# Altium PCB 11BRANMB10H2_20170927.pcbdoc (part 10 of 11) (continued)
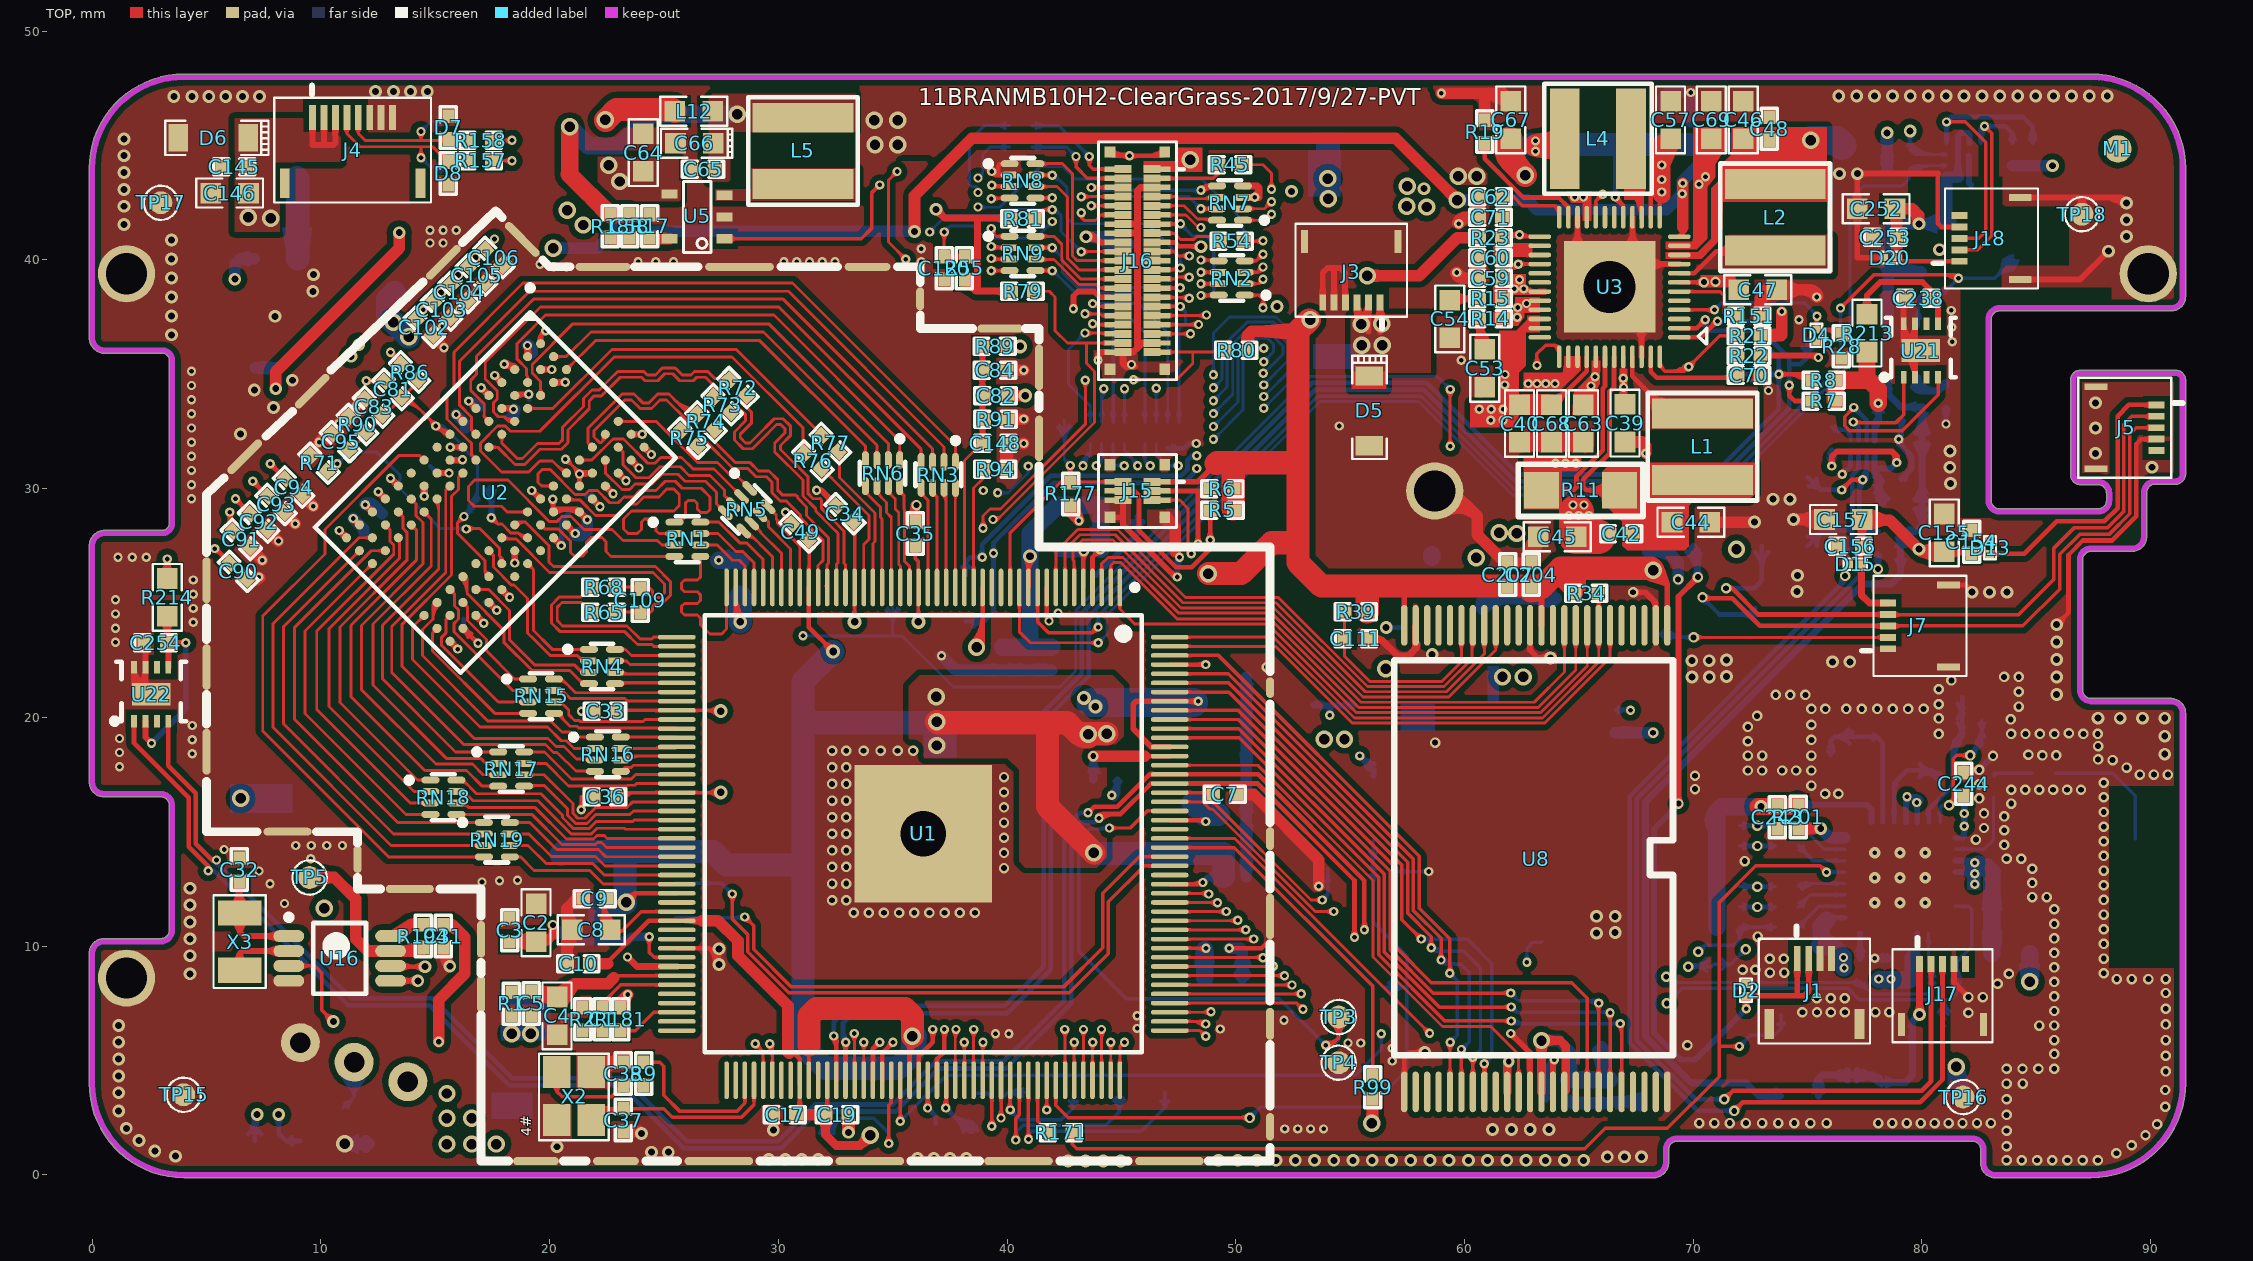
[diagram p0: TOP view]
## Nets (pads, with @x,y where several pads share a name; then routed paths per layer and width w, separated by ;. In a path a pad name is that pad's centre, name@x,y a point inside that pad or via, vN(x,y) a via of type N, cw(c..) or ccw(c..) an arc to the next point about the centre after c; other vN are vias at no path point) (continued)
WL-WAKE-UP: R200.2 R203.1 TP37.1 U1.154 U7.10 | length 56.4
  TOP w0.127: U1.154@47.11,14.708 49.954,14.708 v1(58.474,6.188) ; 58.278,6.38 cw(c58.212,6.135) v1@58.461,6.186 ; 58.281,6.384 ccw(c58.527,6.45) v1@58.476,6.201 ; 58.235,6.427 ccw(c58.474,6.665) 58.474,6.328 cw(c58.474,6.665) 58.235,6.427 ; 58.235,6.427 cw(c57.997,6.188) 58.334,6.188 ccw(c57.997,6.188) 58.235,6.427
  Singal w0.127: v1@58.481,6.181 59.739,6.181 62.22,8.661 62.475,8.661 ; v1(62.729,9.296) 62.475,9.042 62.475,8.661 ; v2(68.821,8.661) 62.475,8.661 ; 62.491,9.058 ccw(c62.252,9.296) 62.589,9.296 cw(c62.252,9.296) 62.491,9.058 ; 62.491,9.058 cw(c62.729,8.819) 62.729,9.156 ccw(c62.729,8.819) 62.491,9.058 ; 68.422,8.661 ccw(c68.422,9.06) 68.704,8.778 cw(c68.422,9.06) 68.422,8.661 ; 68.422,8.661 cw(c68.422,8.263) 68.704,8.545 ccw(c68.422,8.263) 68.422,8.661 ; v1@58.572,6.089 cw(c58.793,5.869) 58.793,6.181 ccw(c58.793,5.869) v1@58.572,6.089 ; v1@58.572,6.287 ccw(c58.829,6.544) 58.829,6.181 cw(c58.829,6.544) v1@58.572,6.287
  BOTTOM w0.127: v1(62.729,9.296) 62.729,9.906 62.983,10.16 63.36,10.16 TP37.1@63.4,10.2 ; v2(68.821,8.661) 69.075,8.407 ; R203.1@77.24,8.372 ccw(c77.531,8.458) R203.1@77.452,8.165 ; U7.10@80.293,10.562 80.293,9.381 80.446,9.228 R200.2@80.446,8.534 80.446,8.103 ; 62.729,9.633 ccw(c63.066,9.633) 62.828,9.395 cw(c63.066,9.633) 62.729,9.633 ; 62.729,9.633 cw(c62.392,9.633) 62.63,9.395 ccw(c62.392,9.633) 62.729,9.633 ; 69.075,8.407 ccw(c68.857,8.189) 68.833,8.497 cw(c68.857,8.189) 69.075,8.407 ; 69.075,8.407 cw(c69.293,8.625) 68.985,8.649 ccw(c69.293,8.625) 69.075,8.407 ; 69.075,8.407 77.271,8.407 R203.1@77.304,8.441 77.846,7.899 80.243,7.899 80.446,8.103 ; 80.293,10.139 ccw(c80.145,10.139) 80.25,10.244 cw(c80.145,10.139) 80.293,10.139 ; 80.293,10.139 cw(c80.441,10.139) 80.336,10.244 ccw(c80.441,10.139) 80.293,10.139 ; 80.446,8.103 ccw(c80.039,8.103) 80.318,8.399 cw(c80.039,8.103) 80.446,8.103 ; 80.446,8.103 cw(c80.853,8.103) 80.574,8.399 ccw(c80.853,8.103) 80.446,8.103 ; 80.446,8.985 ccw(c80.896,8.985) 80.578,8.666 cw(c80.896,8.985) 80.446,8.985 ; 80.446,8.985 cw(c79.996,8.985) 80.314,8.666 ccw(c79.996,8.985) 80.446,8.985 ; 76.814,8.407 cw(c76.814,7.9) 77.173,8.259 ccw(c76.814,7.9) 76.814,8.407 ; 76.894,8.407 ccw(c76.894,8.801) 77.173,8.523 cw(c76.894,8.801) 76.894,8.407 ; R203.1@77.304,8.204 cw(c77.304,7.633) 77.708,8.037 ccw(c77.304,7.633) R203.1@77.304,8.204 ; R203.1@77.491,8.391 ccw(c77.82,8.391) 77.587,8.158 cw(c77.82,8.391) R203.1@77.491,8.391
X24MI: C37.2 U1.92 X2.1 | length 21.9
  TOP w0.152: X2.1@21.817,2.395 21.817,2.713 21.999,2.895 C37.2@23.214,2.895 ; 22.716,2.824 cw(c22.816,2.45) C37.2@23.091,2.723 ; 22.797,2.784 cw(c22.883,2.464) C37.2@23.1,2.714 ; 22.909,2.814 ccw(c22.843,3.06) C37.2@23.063,2.932 ; U1.92@28.935,4.133 28.935,3.062 28.388,2.515 25.361,2.515 24.981,2.895 C37.2@23.214,2.895 ; 22.794,2.895 ccw(c22.794,3.315) 23.091,3.018 cw(c22.794,3.315) 22.794,2.895 ; 22.794,2.895 cw(c22.794,2.476) 23.091,2.773 ccw(c22.794,2.476) 22.794,2.895 ; C37.2@23.214,2.895 ccw(c23.214,1.901) 22.299,2.29 cw(c23.214,1.901) C37.2@23.214,2.895 ; 23.633,2.895 ccw(c23.633,2.476) 23.337,2.773 cw(c23.633,2.476) 23.633,2.895 ; 23.633,2.895 cw(c23.633,3.315) 23.337,3.018 ccw(c23.633,3.315) 23.633,2.895 ; X2.1@21.738,2.529 cw(c22.292,2.293) 22.292,2.895 ccw(c22.292,2.293) X2.1@21.738,2.529 ; X2.1@21.878,2.469 cw(c22.522,2.195) 22.522,2.895 ccw(c22.522,2.195) X2.1@21.878,2.469 ; X2.1@22.018,2.41 cw(c22.753,2.097) 22.753,2.895 ccw(c22.753,2.097) X2.1@22.018,2.41 ; X2.1@22.159,2.35 cw(c22.983,1.999) 22.983,2.895 ccw(c22.983,1.999) X2.1@22.159,2.35
X24MO: R9.1 U1.91 | length 8.5
  TOP w0.152: R9.1@24.117,4.927 24.81,4.927 24.992,4.745 24.992,3.475 25.699,2.769 28.181,2.769 28.535,3.123 U1.91@28.535,4.133 ; 24.536,4.927 ccw(c24.536,4.508) 24.24,4.805 cw(c24.536,4.508) 24.536,4.927 ; 24.536,4.927 cw(c24.536,5.347) 24.24,5.05 ccw(c24.536,5.347) 24.536,4.927
XTAL_IN: C220.1 U7.28 X1.1 | length 12.9
  BOTTOM w0.203: U7.28@78.793,15.412 78.793,17.119 79.36,17.686 79.4,17.686 80.442,17.686 ; X1.1@79.889,17.39 cw(c80.211,17.132) 80.318,17.531 cw(c80.446,18.01) X1.1@79.974,17.857 ; 80.15,17.6 ccw(c80.495,18.198) C220.1@80.723,17.546 ; 80.415,17.673 cw(c80.195,17.293) C220.1@80.626,17.378 ; C220.1@80.772,17.356 80.442,17.686 ; 80.442,17.686 ccw(c80.442,17.025) 79.905,17.411 cw(c80.442,17.025) 80.442,17.686 ; 80.442,17.686 cw(c80.442,18.307) 79.92,17.971 ccw(c80.442,18.307) 80.442,17.686 ; 80.442,17.686 ccw(c80.76,18.004) 80.769,17.555 cw(c80.76,18.004) 80.442,17.686 ; X1.1@79.738,17.686 cw(c79.738,16.372) 80.667,17.301 ccw(c79.738,16.372) X1.1@79.738,17.686 ; 80.228,17.686 cw(c80.228,16.862) 80.811,17.445 ccw(c80.228,16.862) 80.228,17.686 ; C220.1@80.554,17.574 cw(c80.386,17.406) 80.624,17.406 ccw(c80.386,17.406) C220.1@80.554,17.574
XTAL_OUT: C221.1 U7.27 X1.3 | length 12.3
  BOTTOM w0.203: C221.1@76.022,18.356 76.022,18.984 76.186,19.147 ; U7.27@78.293,15.412 78.293,18.881 78.027,19.147 ; 76.022,18.764 ccw(c76.38,18.764) 76.127,18.511 cw(c76.38,18.764) 76.022,18.764 ; 76.022,18.764 cw(c75.664,18.764) 75.917,18.511 ccw(c75.664,18.764) 76.022,18.764 ; 76.186,19.147 ccw(c76.186,19.856) 76.781,19.472 cw(c76.186,19.856) 76.186,19.147 ; 76.186,19.147 cw(c76.186,18.263) 76.835,18.864 ccw(c76.186,18.263) 76.186,19.147 ; 76.186,19.147 77.3,19.147 78.027,19.147 ; 78.027,19.147 ccw(c78.027,18.981) 77.87,19.036 cw(c78.027,18.981) 78.027,19.147 ; 78.027,19.147 cw(c78.027,19.28) 77.895,19.264 ccw(c78.027,19.28) 78.027,19.147 ; 76.558,19.147 ccw(c76.558,19.616) 76.952,19.362 cw(c76.558,19.616) 76.558,19.147
pads on no net: J4.9 J4.10 J5.5 J6.3 J6.4 J17.5 J18.5 M1.4 M1.5 M2.4 M2.5 U1.14 U1.15 U1.74 U1.77 U1.78 U1.84 U1.85 U1.87 U1.88 U1.89 U1.90 U1.95 U1.96 U1.99 U1.150 U1.155 U2.J1 U2.J9 U2.L1 U2.L9 U2.M7 U3.3 U3.5 U3.18 U3.19 U3.29 U3.30 U7.5 U7.6 U7.8 U7.9 U7.12 U7.13 U7.14 U7.15 U7.25 U8.3 U8.4 U8.5 U8.11 U8.14 U8.15 U8.20 U8.21 U8.22 U8.26 U8.27 U8.28 U8.33 U8.40 U8.45 U8.46 U8.47 U9.2 U21.3 U21.6 U22.3 U22.6

## Polygon pours and split planes (outlines as drawn)
GND on TOP "Bottom-No Net" (solid, remove dead copper, pour order 61): -3.15,49.86 92.1,49.86 92.507,49.454 92.507,1.88 89.611,-1.016 1.295,-1.016 -1.753,2.032 -2.87,3.15 -2.87,50.14
CORE-VDD on TOP "Bottom-No Net" (solid, remove dead copper, pour order 60): 36.179,21.844 44.612,21.844 44.815,21.641 45.094,21.361 45.094,19.406 45.094,19.177 44.688,18.771 44.358,18.44 44.358,15.545 44.358,13.868 43.926,13.437 40.802,13.437 40.522,13.716 40.522,17.704 40.014,18.212 36.281,18.212 35.696,18.796 35.696,21.361 36.154,21.819
IPSOUT on TOP "TOP-No Net 1" (solid, remove dead copper, pour order 108): 22.111,44.52 22.111,42.564 25.641,42.564 25.768,42.437 25.743,42.462 25.743,44.52
N502826 on TOP "TOP-No Net 1" (solid, remove dead copper, pour order 100): 33.363,45.612 27.902,45.612 27.902,43.478 27.826,43.402 27.8,43.427 26.962,43.427 26.962,47.085 27.038,47.161 27.14,47.263 33.363,47.263
N502982 on TOP "TOP-No Net 1" (solid, remove dead copper, pour order 99): 33.439,43.986 33.464,43.961 33.464,42.589 27.241,42.589 27.241,43.097 28.816,43.097 28.816,44.012 33.363,44.012 33.388,43.986
N497618 on TOP "TOP-No Net 1" (solid, remove dead copper, pour order 96): 67.343,35.263 67.365,35.241 68.143,35.241 68.502,34.882 68.629,35.009 72.82,35.009 72.82,32.596 72.695,32.471 67.552,32.471 67.552,34.059 67.613,34.12 67.486,34.247 67.359,34.247
N496496 on TOP "Bottom Layer-No Net" (solid, remove dead copper, pour order 95): 69.899,39.454 69.899,40.216 69.902,40.219 70.283,40.219 71.042,40.978 71.169,41.105 71.423,41.105 75.82,41.105 75.884,41.169 76.074,40.978 76.074,39.4 71.35,39.4 71.296,39.454 70.661,39.454 69.934,39.454 69.899,39.419
DCIN-5V on TOP "TOP-No Net 1" (solid, remove dead copper, pour order 104): 55.029,37.625 55.029,35.107 55.054,35.077 58.534,35.077 58.534,37.712 58.458,37.625 55.029,37.625
GND on TOP "GRD" (solid, pour order 109): 86.118,35.331 86.22,35.23 91.782,35.23 91.782,30.226 91.63,30.074 91.528,29.972 86.22,29.972
IPSOUT on TOP "Bottom Layer-No Net" (solid, remove dead copper, pour order 82): 33.566,48.743 33.566,43.383 33.566,42.977 33.786,42.756 61.636,42.756 61.636,49.323 61.175,49.784
USBVBUS on TOP "Bottom Layer-No Net" (solid, remove dead copper, pour order 89): 8.089,41.224 6.235,41.224 6.235,46.203 7.531,46.203 9.232,46.203 9.232,45.745 9.232,45.593 10.858,45.593 10.858,43.942 10.706,44.094 7.912,44.094 8.191,44.094 8.191,42.316 8.191,41.224
N17550467 on BOTTOM "Bottom Layer-No Net" (solid, pour order 94): 57.594,15.261 64.275,15.261 64.452,15.261 64.452,13.61 64.427,13.635 62.116,13.635 57.594,13.635
N17550444 on BOTTOM "Bottom Layer-No Net" (solid, pour order 93): 57.569,16.709 65.9,16.709 65.9,19.528 65.9,19.757 65.037,19.757 63.741,19.757 63.741,19.376 63.741,18.055 63.309,18.055 58.966,18.055 58.966,18.309 58.966,18.385 58.331,18.385 57.569,18.385
IPSOUT on BOTTOM "Bottom Layer-No Net" (solid, pour order 92): 59.22,20.697 61.481,20.697 61.481,22.043 61.481,22.246 62.852,22.246 63.665,22.246 63.665,21.459 63.665,19.909 63.69,19.884 63.69,19.147 63.69,18.385 63.563,18.258 59.22,18.258
N499376 on BOTTOM "Bottom Layer-No Net" (solid, pour order 91): 6.794,38.096 7.379,38.096 7.379,36.775 8.293,36.775 8.471,36.775 8.471,36.216 8.471,35.81 7.506,35.81 5.778,35.81 5.778,36.775 6.82,36.775 6.82,37.791 6.82,38.096
BAT on BOTTOM "Bottom Layer-No Net" (solid, remove dead copper, pour order 90): 12.825,5.113 15.969,5.113 18.134,2.948 18.134,2.573 18.134,0.617 18.108,0.592 13.943,0.592 12.851,0.592 12.825,0.617
CORE-VDD on BOTTOM "Bottom Layer-No Net" (solid, remove dead copper, pour order 102): 43.37,14.395 43.37,12.693 43.345,12.668 43.345,12.541 49.822,12.541 49.619,12.744 49.619,14.852 43.37,14.852
CPU-VDD on BOTTOM "Bottom Layer-No Net" (solid, remove dead copper, pour order 101): 43.599,21.329 44.132,21.329 44.132,21.837 44.158,21.863 45.377,23.082 45.86,23.565 49.873,23.565 49.873,15.081 49.847,15.056 49.695,15.208 46.749,15.208 46.749,19.856 46.647,19.958 43.624,19.958
N499368 on BOTTOM "TOP-No Net 1" (solid, remove dead copper, pour order 97): 14.11,46.018 14.084,45.993 14.084,39.744 10.02,39.744 9.995,39.719 10.02,39.744 10.02,40.913 11.214,40.913 11.239,40.938 11.239,45.993
DCIN-5V on BOTTOM "TOP-No Net 1" (solid, remove dead copper, pour order 105): 62.751,38.195 62.7,38.139 55.029,38.139 55.029,35.105 55.004,35.077 55.029,35.105 62.09,35.105 62.09,36.775 62.116,36.803 62.141,36.775 62.751,36.775
IPSOUT on BOTTOM "TOP-No Net 1" (solid, remove dead copper, pour order 106): 12.027,36.646 12.001,36.62 9.588,36.62 9.588,38.093 8.674,38.093 8.674,35.452 8.75,35.376 12.027,35.376
GND on BOTTOM "GRD" (solid, remove dead copper, pour order 110): 86.042,35.306 91.681,35.306 91.732,35.357 91.528,35.154 91.528,30.226 85.89,30.226 85.864,30.201
VLED- on BOTTOM "Bottom Layer-No Net" (solid, remove dead copper, pour order 77): 59.042,24.358 59.067,24.333 61.125,24.333 61.125,27.407 61.15,27.432 61.099,27.382 59.956,27.382 59.829,27.382 59.829,25.176 59.829,24.879 59.27,24.879 59.042,24.879
N17800564 on BOTTOM "Bottom Layer-No Net" (solid, remove dead copper, pour order 78): 57.746,23.419 57.746,23.622 56.095,23.622 56.07,23.647 56.095,23.673 56.095,24.46 51.244,24.46 51.244,22.073 51.879,22.073 51.879,21.082 53.276,21.082 53.301,21.107 53.327,21.133 53.327,22.809 57.696,22.809 57.746,22.86
N17800108 on BOTTOM "Bottom Layer-No Net" (solid, remove dead copper, pour order 80): 57.442,27.788 51.244,27.788 51.244,26.594 51.244,25.933 51.269,25.959 56.019,25.959 56.019,24.435 56.045,24.46 57.772,24.46 57.772,24.816 57.746,24.79 57.442,24.79 57.442,27.788
IPSOUT on BOTTOM "Bottom Layer-No Net" (solid, remove dead copper, pour order 83): 58.1,26.139 58.135,26.167 60.176,26.167 60.176,27.689 64.115,27.689 64.186,27.745 64.186,28.88 58.135,28.88 58.1,28.852 57.924,28.852 57.924,26.111
VLED+ on BOTTOM "Bottom Layer-No Net" (solid, remove dead copper, pour order 85): 53.53,22.657 58,22.657 58,21.647 58,21.311 54.216,21.311 53.581,21.311 53.53,21.367
HPVCC on BOTTOM "Bottom Layer-No Net" (solid, remove dead copper, pour order 81): 47.561,44.907 47.589,44.933 53.001,44.933 53.001,43.555 53.022,43.536 50.393,43.536 47.564,43.536 47.561,43.538
VCC-5V on BOTTOM "Bottom Layer-No Net" (solid, remove dead copper, pour order 84): 57.34,16.739 57.34,19.355 57.34,21.031 57.315,21.057 55.664,21.057 55.664,19.863 53.809,19.863 52.895,19.863 52.895,18.466 52.895,16.967 54.775,16.967 55.156,16.967 55.156,18.009 55.156,18.593 55.918,18.593 56.502,18.593 56.502,17.983 56.502,16.739
CORE-VDD on BOTTOM "Bottom Layer-No Net" (solid, remove dead copper, pour order 87): 58.788,41.91 54.825,41.91 54.825,46.965 58.661,46.965 68.135,46.965 68.135,45.974 68.135,44.171 68.084,44.221 61.506,44.221 58.788,44.221
USBVBUS on BOTTOM "Bottom Layer-No Net" (solid, remove dead copper, pour order 88): 53.149,44.069 55.257,44.069 55.257,41.453 55.283,41.478 56.299,41.478 61.76,41.478 62.547,40.691 62.953,40.284 62.953,38.329 53.251,38.329 53.149,38.43
CORE-VDD on BOTTOM "Bottom Layer-No Net" (solid, remove dead copper, pour order 103): 36.36,6.572 36.36,4.642 35.496,3.778 35.268,3.549 30.62,3.549 30.264,3.549 30.213,3.499 30.162,3.549 30.162,17.799 30.162,23.463 30.188,23.488 30.213,23.514 35.725,23.514 37.401,23.514 37.655,23.26 37.782,23.133 37.782,19.145 37.782,18.916 37.732,18.866 37.706,18.891 31.813,18.891 31.813,6.572 31.839,6.547
VCC-5V on BOTTOM "Bottom-No Net" (solid, remove dead copper, pour order 115): 17.673,8.286 20.162,8.286 20.244,8.204 20.244,6.248 20.371,6.121 27.026,6.121 27.178,5.969 27.178,4.699 27.076,4.597 18.567,4.597 17.678,5.486 17.678,8.28 17.673,8.286
GND on BOTTOM "Bottom-No Net" (solid, remove dead copper, pour order 119): -2.032,49.022 91.973,49.022 92.304,48.692 92.304,1.397 90.322,-0.584 -0.584,-0.584 -2.134,0.965
GND on POWER "Bottom-No Net" (solid, remove dead copper, pour order 65): -1.981,50.47 90.653,50.47 92.71,48.412 92.71,1.321 89.814,-1.575 -2.438,-1.575 -3.48,-0.533
BAT on POWER "Bottom Layer-No Net" (solid, remove dead copper, pour order 57): 14.926,0.914 18.127,0.914 18.127,1.575 18.889,1.575 31.335,1.575 32.884,3.124 32.884,5.969 43.4,5.969 47.87,10.439 48.53,11.1 48.53,13.563 48.53,14.833 48.988,15.291 49.089,15.392 52.239,15.392 52.29,15.392 53.306,14.376 57.446,10.236 59.478,10.236 63.364,10.236 65.015,11.887 66.615,13.487 66.615,15.646 66.615,31.496 66.615,31.902 66.615,32.131 65.675,33.071 64.329,34.417 62.602,34.417 62.602,33.452 63.262,32.791 63.77,32.283 63.77,29.921 63.77,15.214 62.932,14.376 62.119,13.563 58.487,13.563 58.436,13.563 55.668,16.332 53.814,18.186 47.692,18.186 47.54,18.186 45.508,16.154 45.025,15.672 45.025,12.319 45.025,12.166 44.162,11.303 41.876,9.017 39.107,9.017 31.385,9.017 29.734,7.366 29.506,7.137 29.506,5.004 29.15,4.648 28.998,4.496 14.926,4.496
DRAM-VCC on POWER "TOP-No Net 1" (solid, remove dead copper, pour order 107): 16.116,41.218 17.945,41.218 19.926,39.236 20.307,39.236 40.424,39.236 41.008,38.652 41.389,38.271 41.389,32.632 41.211,32.632 37.732,29.153 37.605,29.026 37.605,23.692 28.359,23.692 28.334,23.666 28.257,23.59 28.257,16.199 28.257,14.802 28.232,14.776 28.181,14.725 4.966,14.725 4.966,29.635 16.573,41.243
VCC-WIFI-3V3 on POWER "Bottom Layer-No Net" (solid, remove dead copper, pour order 86): 71.666,16.561 71.64,16.535 71.64,11.709 71.64,7.823 71.666,7.849 78.27,7.849 83.731,7.849 83.756,7.823 82.969,8.611 82.969,17.043 71.716,17.043 71.666,16.993
IPSOUT on POWER "GRD" (solid, remove dead copper, pour order 111): 59.96,44.399 60.069,44.501 71.205,44.501 71.205,38.608 71.259,38.557 71.232,38.532 71.232,34.442 71.232,33.884 71.178,33.833 71.15,33.807 59.988,33.807
BAT on POWER "Bottom Layer-No Net" (solid, remove dead copper, pour order 58): 29.506,6.858 29.506,7.772 30.75,9.017 31.081,9.347 33.036,9.347 41.368,9.347 43.247,11.227 44.39,12.37 44.39,15.011 44.39,15.951 44.873,16.434 45.025,16.586 46.93,16.586 46.93,11.735 44.543,9.347 43.196,8.001 31.792,8.001 31.792,7.925 30.75,6.883
BAT on POWER "Bottom Layer-No Net" (solid, remove dead copper, pour order 59): 29.506,7.747 26.051,4.292 25.95,4.292 25.95,3.632 26.051,3.53 26.28,3.759 30.446,3.759 30.446,7.848
BAT on POWER "Bottom Layer-No Net" (solid, remove dead copper, pour order 63): 53.814,18.186 54.347,18.186 54.398,18.186 54.88,17.704 58.513,14.071 59.579,14.071 61.815,14.071 62.983,15.24 63.262,15.519 63.262,17.754 63.262,20.294 63.288,20.32 63.313,20.345 63.72,20.345 64.71,20.345 64.761,20.294 64.659,20.193 64.659,13.995 64.659,13.944 63.288,12.573 63.11,12.751 57.039,12.751 57.039,14.706 53.61,18.135
BAT on POWER "Bottom Layer-No Net" (solid, pour order 66): 66.615,13.487 66.869,13.741 66.869,14.478 66.869,32.105 66.869,32.131 66.615,32.131 66.437,32.131 66.437,13.436 66.412,13.411
CORE-VDD on POWER "Bottom Layer-No Net" (solid, remove dead copper, pour order 68): 36.364,21.59 39.564,21.59 39.564,19.913 39.59,19.888 42.612,19.888 44.619,19.888 45.025,20.294 45.762,21.031 45.762,24.358 45.762,24.511 45.711,24.562 47.921,24.562 51.578,24.562 53.814,26.797 53.839,26.822 53.839,31.089 53.839,31.521 56.303,33.985 57.42,35.103 57.42,41.656 57.42,43.434 59.046,43.434 59.046,32.867 57.801,31.623 56.658,30.48 56.658,25.654 56.658,25.501 54.88,23.723 53.687,22.53 49.953,22.53 48.861,22.53 48.861,21.691 47.489,20.32 45.406,18.237 36.338,18.237
CORE-VDD on POWER "Bottom Layer-No Net" (solid, remove dead copper, pour order 69): 57.065,34.722 57.065,43.332 57.344,43.612 57.37,43.637 58.919,43.637 59.021,43.637 59.046,43.662
CORE-VDD on POWER "Bottom Layer-No Net" (solid, remove dead copper, pour order 71): 57.065,43.058 57.065,43.637 58.436,43.637 58.462,43.612 58.462,41.935 57.065,41.935
CORE-VDD on POWER "Bottom Layer-No Net" (solid, remove dead copper, pour order 72): 59.021,42.189 59.402,42.189 59.402,32.944 58.055,31.597 56.862,30.404 56.862,28.194 56.862,25.197 55.236,23.571 53.89,22.225 49.521,22.225 49.496,22.225 48.048,20.777 47.21,19.939 47.006,19.939 47.006,22.911 47.235,23.139 47.692,23.596 52.01,23.596 53.229,23.596 55.388,25.755 56.608,26.975 56.608,32.207 56.608,32.232 58.538,34.163 58.589,34.214 58.589,41.935
CORE-VDD on POWER "Bottom Layer-No Net" (solid, remove dead copper, pour order 73): 47.819,22.885 53.941,22.885 54.068,22.758 54.118,22.707 54.322,22.707 54.322,22.657 53.89,22.225 53.509,21.844 50.689,21.844 50.258,21.844 48.784,20.371 48.378,19.964 47.184,19.964 47.184,22.555 47.311,22.682 47.514,22.885 53.966,22.885
CPU-VDD on POWER "Bottom Layer-No Net" (solid, remove dead copper, pour order 74): 75.581,44.551 64.634,44.551 63.872,45.313 63.796,45.39 62.17,45.39 57.598,45.39 56.785,44.577 56.735,44.526 56.735,43.764 56.735,40.995 56.1,40.36 55.236,39.497 55.236,35.814 55.236,33.604 54.449,32.817 53.382,31.75 53.382,29.667 53.382,28.143 50.258,25.019 50.207,24.968 44.289,24.968 44.162,24.968 44.162,21.92 44.162,20.244 43.908,19.99 43.882,20.015 40.682,20.015 40.352,20.015 39.971,20.015 39.971,21.971 37.913,21.971 37.913,28.499 40.428,31.013 41.876,32.461 47.184,32.461 49.572,32.461 52.696,35.585 52.798,35.687 52.798,41.427 52.798,41.884 54.779,43.866 54.982,44.069 54.982,46.863 54.982,47.142 60.621,47.142 75.683,47.142 75.683,46.279 75.683,47.041 75.785,47.142 75.81,47.117 75.81,45.085 75.81,44.551
CPU-VDD on POWER "Bottom Layer-No Net" (solid, pour order 75): 52.798,41.529 52.163,41.529 52.163,39.065 52.163,36.296 50.486,34.62 49.597,33.731 41.952,33.731 41.926,33.731 41.901,33.706 41.901,31.851 51.045,31.851 51.578,32.385 53.534,34.341 53.534,35.509 53.534,41.249 53.61,41.326
CORE-VDD on POWER "Bottom Layer-No Net" (solid, pour order 76): 20.895,10.744 31.792,10.744 31.817,10.769 31.817,15.951 31.817,18.948 31.792,18.974 38.116,18.974 38.116,21.615 38.066,21.564 36.313,21.564 36.313,23.165 36.338,23.19 36.338,23.419 28.845,23.419 28.82,23.444 28.82,22.58 28.82,14.3 28.82,14.021 20.921,14.021
HPVCC on POWER "Bottom-No Net" (solid, remove dead copper, pour order 112): 78.041,46.482 78.092,46.431 86.194,46.431 86.194,43.106 86.2,43.1 81.006,43.1 81,43.094 81.013,43.081 81.013,41 78.087,41 78.041,41.046
GND on GND1 "Bottom-No Net" (solid, remove dead copper, pour order 62): -2.057,50.394 -1.372,49.708 93.32,49.708 92.837,49.225 92.837,-0.94 90.145,-3.632 -2.235,-3.632
GND on Singal "Bottom-No Net" (solid, remove dead copper, pour order 64): -1.422,49.784 91.338,49.784 91.897,49.225 91.897,-0.889 90.856,-1.93 0.203,-1.93 -1.88,0.152
GND on GND2 "Bottom-No Net" (solid, remove dead copper, pour order 67): -1.88,49.784 92.456,49.784 93.955,48.285 93.955,1.981 91.084,-0.889 0.305,-0.889 -1.88,1.295

## Keep-outs
Keep-Out Layer:
  lines w0.254: 0.499,16.656 3,16.656 cw(c2.987,16.142) 3.5,16.129 ; 0.499,16.66 cw(c0.499,17.158) 0,17.158 0,27.55 cw(c0.55,27.5) 0.6,28.05 3.1,28.05 ccw(c3.05,28.5) 3.5,28.55 3.5,35.55 ccw(c3.05,35.6) 3.1,36.05 0.6,36.05 cw(c0.55,36.6) 0,36.55 0,44 cw(c4,44) 4,48 87.4,48 cw(c87.4,44) 91.4,44 91.4,38.4 cw(c90.9,38.4) 90.9,37.9 83.4,37.9 ccw(c83.4,37.4) 82.9,37.4 82.9,29.49 ccw(c83.4,29.49) 83.4,28.99 87.7,28.99 ccw(c87.7,29.49) 88.2,29.49 88.2,29.8 ccw(c87.699,29.801) 87.7,30.302 86.975,30.302 ; 3.5,16.156 3.5,10.7 cw(c3,10.7) 3,10.2 0.527,10.2 ccw(c0.513,9.687) 0,9.7 0,4 ccw(c4,4) 4,0 68.2,0 ccw(c68.25,0.55) 68.8,0.5 68.8,1.1 cw(c69.3,1.1) 69.3,1.6 82.2,1.6 cw(c82.2,1.1) 82.7,1.1 82.7,0.5 ccw(c83.2,0.5) 83.2,0 87.4,0 ccw(c87.4,4) 91.4,4 91.4,20.2 ; 86.626,30.607 ccw(c86.926,30.607) 86.926,30.307 ; 86.627,30.632 86.627,34.752 cw(c86.927,34.752) 86.927,35.052 91.053,35.052 ; 90.9,20.698 cw(c90.9,20.198) 91.4,20.198 ; 90.9,20.7 87.4,20.7 cw(c87.4,21.2) 86.9,21.2 86.9,26.9 cw(c87.395,26.895) 87.4,27.39 89.2,27.39 ccw(c89.2,27.89) 89.7,27.89 89.7,29.8 cw(c90.214,29.814) 90.2,30.328 91.147,30.328 ; 91.097,30.328 ccw(c91.097,30.628) 91.397,30.628 ; 91.1,35.052 cw(c91.1,34.752) 91.4,34.752 91.4,30.632

## Other copper
TOP:
  rectangle net N497492: 66.978,42.629 67.743,44.534
  rectangle net DCIN-5V: 62.116,37.458 62.471,37.712
  rectangle net IPSOUT: 70.32,38.83 71.844,39.338
  rectangle net HPVCC: 47.434,43.917 48.552,44.907
  rectangle net HPVCC: 45.961,43.84 48.552,44.323
  rectangle net DCIN-5V: 55.058,34.366 56.582,35.128
  rectangle net IPSOUT: 66.768,34.036 67.123,35.255
  pour cut-out: 92.277,26.695 92.277,30.556 85.216,30.556 85.139,30.632 84.53,30.023 84.53,28.981 84.581,28.931 86.384,28.931 86.384,26.67
  pour cut-out: 92.277,26.681 92.277,30.542 85.216,30.542 85.139,30.618 84.53,30.009 84.53,28.967 84.581,28.916 86.384,28.916 86.384,26.656
  pour cut-out: 81.677,38.811 81.677,28.702 84.776,28.702 84.776,37.058 84.725,37.109 84.776,37.16 88.307,37.16 88.307,38.811
  pour cut-out: 91.939,35.814 84.624,35.814 84.522,35.712 84.548,35.687 84.548,28.931 92.192,28.931
  pour cut-out: 91.634,17.018 88.205,17.018 88.18,16.992 88.18,9.042 92.142,9.042
  region net IPSOUT: 63.297,36.833 63.293,36.829 63.293,36.83 62.687,36.83 62.687,35.382 62.382,35.077 62.382,32.69 60.249,32.69 60.249,33.756 61.519,33.756 61.519,36.906 62.255,36.906 62.738,37.389 62.738,37.554 62.75,37.566 63.297,37.566
  region net DCIN-5V: 61.265,37.719 62.001,37.719 62.128,37.795 62.128,38.049 62.23,38.125 62.23,38.379 63.297,38.379 63.297,37.693 62.611,37.693 62.611,37.49 62.332,37.135 61.265,37.135
  region net USBVBUS: 61.976,38.836 62.078,38.963 62.078,39.37 62.687,39.37 62.687,38.938 62.814,38.786 62.853,38.731 63.221,38.735 63.576,38.735 63.576,38.481 62.154,38.481 62.128,38.43 62.001,38.1 61.951,37.973 61.265,37.973 61.265,38.836
  region net VINT: 62.967,40.741 62.103,40.741 62.103,40.589 61.265,40.589 61.265,39.776 61.951,39.776 62.027,39.852 62.027,40.106 62.103,40.132 62.408,40.132 62.967,40.106
  region net BAT: 62.586,31.344 65.1,31.343 65.1,30.937 64.922,30.759 64.262,30.759 64.262,29.108 62.586,29.108
  region net BAT: 62.586,35.077 62.586,34.341 64.262,34.366 65.075,35.179 65.075,35.788 64.364,35.788 64.364,35.433 64.287,35.077
  region net WIFI_3V3: 65.557,35.585 65.557,35.001 65.151,34.595 64.77,34.188 64.719,33.198 65.811,33.198 65.811,34.391 65.913,34.595 65.938,35.585
  pour cut-out: 6.363,42.312 6.413,42.312 6.413,42.414 6.363,42.414
  pour cut-out: 62.749,37.565 62.748,37.564 62.748,36.874 63.249,36.874 63.293,36.829 63.293,37.612 62.871,37.612
  pour cut-out: 9.828,28.278 19.226,37.676 19.226,37.59 25.449,31.367 16.051,21.969 16.051,21.928
  pour cut-out: 9.828,28.278 19.14,37.59 19.226,37.59 25.449,31.367 16.051,21.969 16.051,21.928
  pour cut-out: 17.194,15.578 18.083,15.578 18.083,13.673 17.194,13.673
  pour cut-out: 25.449,28.786 25.703,28.532 27.735,28.532 27.735,23.579 27.862,23.452 24.306,23.452 24.306,25.992 24.143,26.155 24.143,28.675
  pour cut-out: 37.895,31.072 33.577,31.072 33.577,30.183 37.895,30.183
  pour cut-out: 33.577,30.183 29.132,30.183 24.179,25.23 22.274,25.23 14.527,32.977 20.496,38.946 24.814,38.946
  pour cut-out: 68.105,32.599 68.116,32.588 72.709,32.588 72.709,31.136 68.105,31.136
  pour cut-out: 71.28,42.565 75.85,42.565 75.884,42.599 75.884,41.169 71.28,41.169
  pour cut-out: 67.95,42.297 67.999,42.248 68.749,42.248 68.749,41.869 67.95,41.869
  pour cut-out: 33.464,45.51 33.464,44.062 33.439,44.037 28.74,44.037 28.74,45.485 28.715,45.51
  pour cut-out: 60.998,43.891 60.998,43.205 60.921,43.282 58.966,43.282 59.016,43.231 59.016,42.596 61.658,42.596 61.734,42.672 61.556,42.85 61.556,43.891
  pour cut-out: 22.111,44.779 22.109,44.78 21.412,44.78 21.412,43.942 21.59,43.764 21.869,43.764 21.869,44.526 22.098,44.755
  region net WIFI_3V3: 70.155,40.462 70.612,40.919 70.612,43.18 70.968,43.612 70.968,44.196 71.374,44.831 71.374,45.796 70.002,45.821 70.002,40.945 69.952,40.792 68.809,40.792 68.809,40.487 68.834,40.462
  region net CPU-VDD: 68.809,40.335 70.206,40.335 70.79,40.919 70.79,43.129 71.247,43.586 71.247,44.196 71.679,44.628 71.679,45.796 75.844,45.796 75.844,42.571 75.85,42.565 75.83,42.545 71.298,42.545 71.247,40.97 70.383,40.056 68.809,40.056
  pour cut-out: 75.82,41.105 76.09,41.105 76.098,41.097 76.098,41.224 75.743,41.224 75.717,41.249
  region net IPSOUT: 64.516,42.977 65.532,42.977 65.532,41.707 65.176,41.707 65.176,42.494 64.668,42.494 64.516,42.773
  pour cut-out: 79.374,39.853 79.374,43.637 79.399,43.663 83.514,43.663 83.539,43.637 83.539,42.494 83.514,42.469 83.641,42.342 86.435,42.342 86.435,39.751 83.666,39.751 83.488,39.573 83.488,38.837 79.374,38.837 79.374,39.761
  pour cut-out: 76.965,37.118 78.299,37.118 78.307,37.109 78.307,36.424 76.965,36.424
  pour cut-out: 79.348,34.595 80.466,34.595 80.466,33.579 80.39,33.503 79.424,33.503 79.348,33.579
  region net N496392: 66.015,30.734 66.421,31.14 72.72,31.14 72.72,29.789 72.415,29.484 70.022,29.484 69.799,29.261 69.799,27.483 69.621,27.305 67.107,27.305 66.904,27.508 66.904,28.55 66.002,29.451 65.989,30.201 66.015,30.318
Singal:
  pour cut-out: 92.277,26.695 92.277,30.556 85.216,30.556 85.139,30.632 84.53,30.023 84.53,28.981 84.581,28.931 86.384,28.931 86.384,26.67
  pour cut-out: 29.337,21.666 30.658,21.666 30.607,21.615 30.607,12.471 29.464,12.471 29.337,12.598
  pour cut-out: 91.634,17.043 88.205,17.043 88.18,17.018 88.18,9.068 92.142,9.068
  pour cut-out: 81.677,38.811 81.677,28.702 84.776,28.702 84.776,37.058 84.725,37.109 84.776,37.16 88.307,37.16 88.307,38.811
  pour cut-out: 81.013,43.129 85.077,43.129 85.077,38.755 81.013,38.755